# Altium PCB PCB-ZB206B-0B.PcbDoc (part 2 of 7)
Units mm, origin at the board's own origin, x right, y up, seen from the top; angles counter-clockwise.
Board outline 366.51 x 137.86 mm, 2 copper layers (Top Layer, Bottom Layer); 583 components, 415 nets, 1779 pads, 4554 vias.
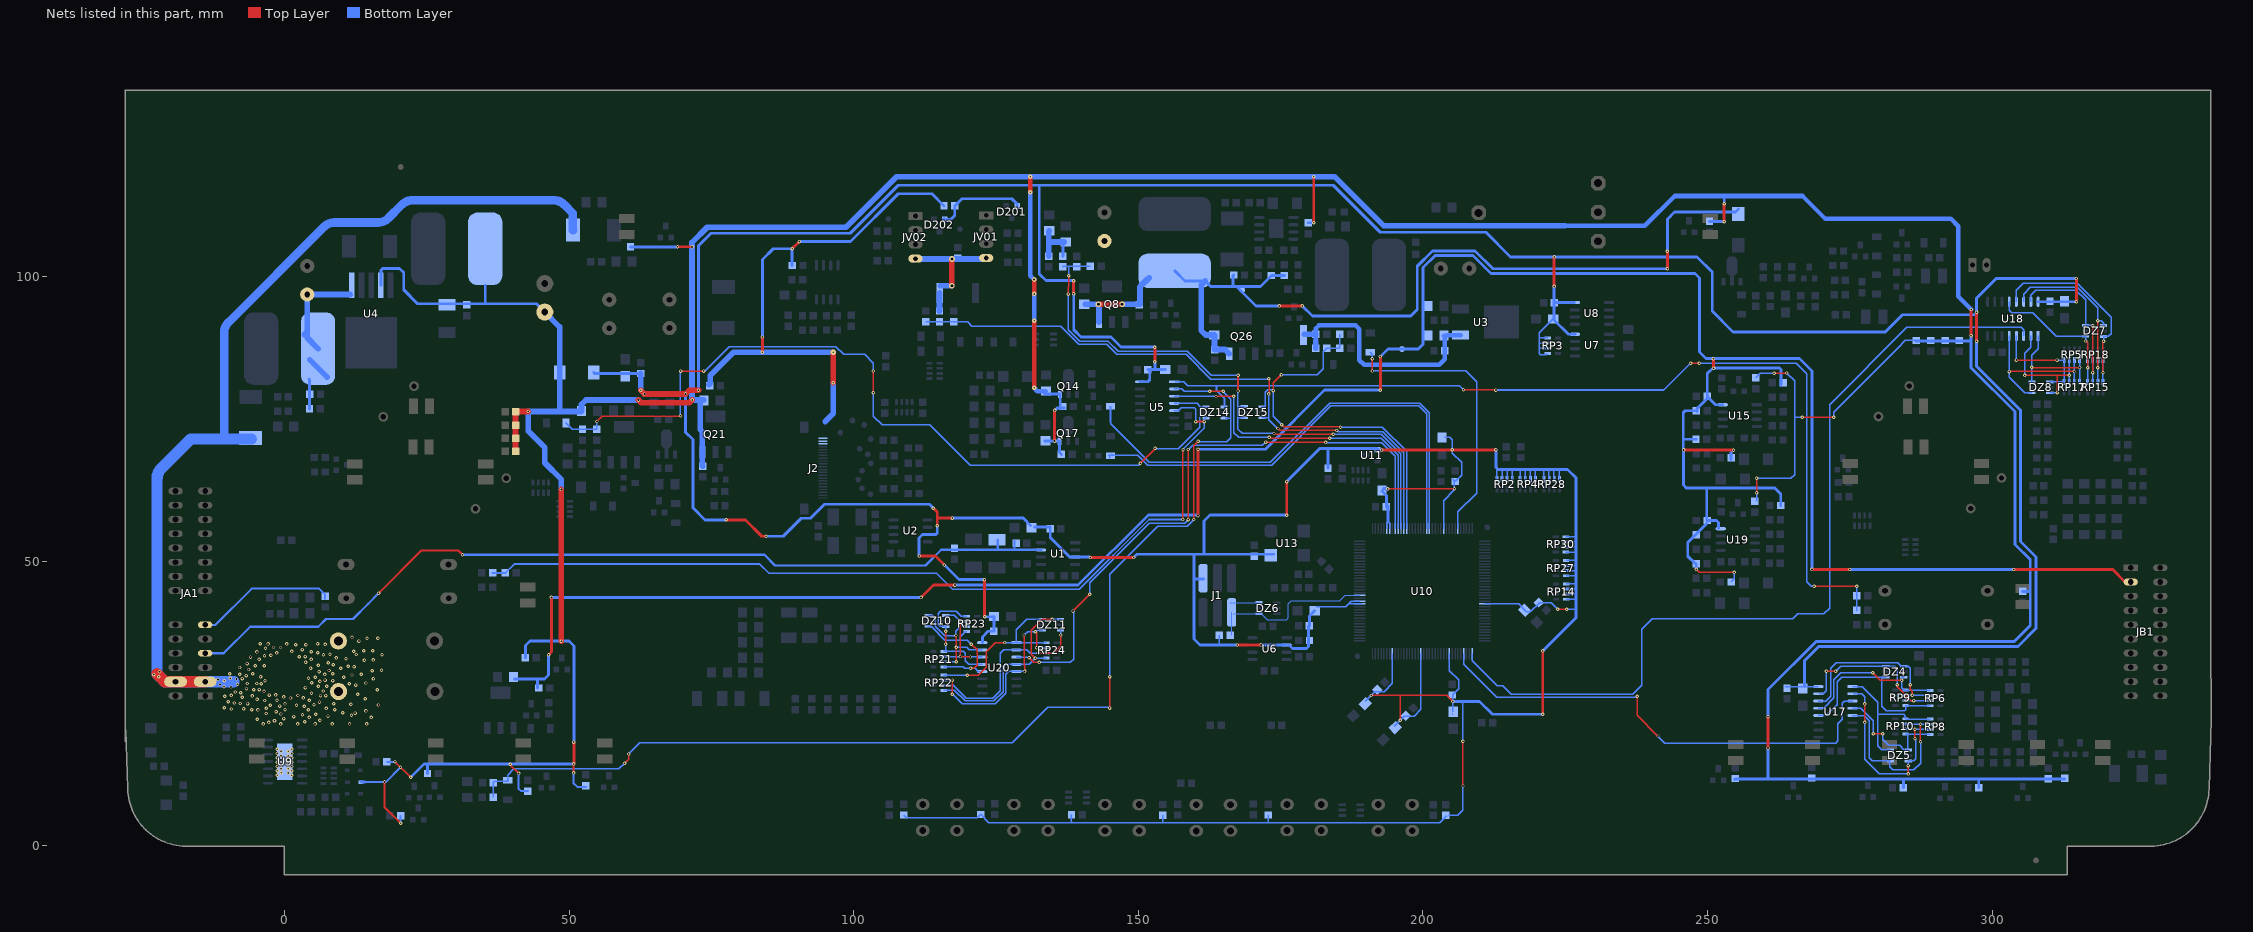
[diagram p2: the nets of this part, all layers, seen from the top]

## Part data
BT1: library part BATTERY, "Battery"
C1 C17 C22 C24 C75 C78 C81 C87 C89 C90 C94 C95 C96 C97 C201 C202 C205 C206: library part CAP, "贴片电容"
C2 C3 C4 C5 C6 C7 C8 C9 C10 C11 C12 C13 C14 C15 C16 C18 C19 C20 C21 C23 C25 C26 C27 C28 C29 C30 C31 C32 C33 C34 C35 C36 C37 C38 C39 C40 C41 C42 C43 C44 C45 C46 C47 C48 C49 C50 C51 C52 C53 C54 C55 C56 C57 C58 C59 C60 C61 C62 C63 C64 C65 C66 C67 C68 C69 C70 C71 C72 C73 C74 C76 C77 C79 C80 C82 C83 C84 C85 C86 C88 C91 C92 C93 C98 C99 C100 C101 C102 C103 C104 C105 C106 C107 C108 C208 C300: library part CAP, "Capacitor"
CP1 CP5 CP7 CP15 CP19 CP303: library part ELECTRO1, "电解电容"
CP2 CP3 CP4 CP6 CP8 CP9 CP10 CP11 CP12 CP16 CP17 CP18 CP22 CP23 CP24 CP25 CP26 CP200: library part "CAPACITOR POL", "Capacitor"
CP13 CP14: library part RC_ARRAY
D1 D3 D4 D5 D7 D9 D11 D12 D13 D14 D15 D16 D17 D21 D22 D24 D26 D27 D28 D33 D66 D68: library part DIODE, "二极管"
D2 D6 D8 D10 D25 D32 D39 D40 D42: library part TVS
D18 D20 D23 D34 D35 D36 D37 D41 D48 DW1 DW12 DW300: library part DW, "稳压二极管"
D19 D29 D30 D31: library part GN1J, "二极管"
D38: "TVS"
D201 D202: library part BAV23S, "双二极管"
DL1 DL2 DL3 DL4 DL5 DL6 DL7 DL16 DL17 DL18 DL19 DL20 DL21 DL22 DL23: library part DOS, "贴片二极管"
DL8 DL9 DL10 DL11 DL12 DL13 DL14 DL15: "贴片LED"
DZ4 DZ5 DZ6 DZ7 DZ8 DZ9 DZ10 DZ11 DZ12 DZ13 DZ14 DZ15: "二极管排"
J1 JV01 JV02: "Connector"
J3: "连接器-2PIN"
L1 L2 L4 L5 L302: library part L, "电感"
L3: library part L, "SS0603220ML"
Q1 Q2 Q3 Q13 Q16: "NPN"
Q4 Q5: library part NPN1, "贴片三极管"
Q6 Q14 Q17: library part PNP1, "贴片三极管"
Q7 Q9 Q15 Q20 Q22 Q27: library part DTC143, "NPN"
Q8 Q26: library part MOS-P, "MOS"
Q10: library part DTB143EK, "三极管-PNP带阻"
Q11 Q12: "PNP   三极管"
Q18 Q23 Q24 Q25 Q28 Q29 Q30 Q31 Q32 Q33 Q34 Q35 Q36 Q37 Q38: "三极管-NPN带阻"
Q19: library part BCX53
Q21: "MOS"
Q39: library part BSP631, "PNP三极管"
R1 R2 R3 R4 R5 R6 R7 R8 R9 R10 R11 R12 R13 R14 R15 R16 R17 R18 R19 R20 R21 R23 R24 R26 R28 R29 R30 R31 R32 R33 R34 R35 R36 R37 R38 R39 R40 R41 R42 R43 R44 R46 R47 R48 R49 R50 R51 R52 R53 R54 R55 R56 R57 R58 R59 R60 R61 R63 R64 R65 R66 R68 R69 R70 R71 R72 R73 R74 R75 R76 R77 R78 R79 R80 R81 R82 R83 R84 R85 R86 R87 R88 R89 R90 R91 R92 R93 R94 R95 R96 R97 R98 R99 R100 R101 R103 R106 R107 R108 R109 R110 R111 R112 R113 R114 R115 R116 R117 R118 R119 R120 R121 R122 R123 R124 R125 R126 R127 R128 R129 R131 R132 R133 R134 R135 R136 R137 R139 R140 R141 R142 R143 R144 R145 R146 R147 R150 R151 R157 R158 R159 R164 R165 R166 R167 R168 R170 R172 R173 R175 R180 R181 R182 R183 R184 R185 R186 R187 R188 R189 R190 R191 R192 R193 R198 R199 R200 R201 R202 R203 R204 R205 R206 R207 R208 R209 R210 R211 R212 R213 R214 R231 R232 R233 R234 RL1 RL2 RL3 RL4 RL5 RL6 RL7 RL8: library part RES, "贴片电阻"
R22 R25 R27 R45 R62 R67 R102 R104 R105 R130 R138 R148 R149 R152 R153 R154 R155 R156 R160 R161 R162 R163 R169 R171 R174 R176 R177 R178 R179 R194 R195 R196 R197: library part "Resister mini", "贴片电阻"
RP1 RP2 RP4 RP6 RP8 RP14 RP15 RP17 RP21 RP22 RP27 RP28 RP30: library part R_LINE4, "贴片排阻"
RP3 RP25: library part R_ARRAY
RP5 RP9 RP10 RP18 RP23 RP24: library part RN, "排阻"
RP11 RP12: library part R_PAI
RP19 RP26: library part R_LINE4, "排阻"
SW1 SW2 SW3 SW4 SW5 SW6: library part SW-PB
TP60 TP61 TP62 TP141 TP142: library part TP
U1 U2: library part SN65HVD251
U3: library part 78M12, "IC-三端稳压"
U4: library part LDO_1, "DC/DC"
U5 U17 U18 U20: "IC-8路模拟开关集成快"
U6: library part IMP706
U7 U8 U9: "IC"
U11: library part DTC143
U12: "IC-单通道功率开关"
U13: library part POW_CRY
U15 U19: "IC-双路运放"
U16: library part BTS4140, "IC-单通道功率开关"
U21: "IC-视频滤波"
U300: "IC-CAN DRIVER"
YC2: library part CRYSTAL0

## Free pads (board coordinates)
  round 1 smd far side: 0(188.52,33.32) 0(211.32,55.97)
  oval 4x1.8 on Top Solder: 2(-19.148,28.845) 3(-13.948,28.845)
  oval 4x1.8 smd: 3(-19.148,28.845) 3(-13.948,28.845)

## Via types
v1: diameter 0.6, hole 0.3, Top Layer to Bottom Layer, tented both sides, 4537 vias
v2: diameter 0.8, hole 0.3, Top Layer to Bottom Layer, 6 vias
v3: diameter 6, hole 3.4, Top Layer to Bottom Layer, 4 vias
v4: diameter 1, hole 0.5, Top Layer to Bottom Layer, tented both sides, 3 vias
v5: diameter 0.8, hole 0.4, Top Layer to Bottom Layer, 2 vias
v6: diameter 1, hole 0.3, Top Layer to Bottom Layer, 1 vias
v7: diameter 1, hole 0.5, Top Layer to Bottom Layer, 1 vias

## Nets (pads, with @x,y where several pads share a name; then routed paths per layer and width w, separated by ;. In a path a pad name is that pad's centre, name@x,y a point inside that pad or via, vN(x,y) a via of type N, cw(c..) or ccw(c..) an arc to the next point about the centre after c; other vN are vias at no path point)
+5V: C16.2 CP7.1 D6.1 D24.1 L2.2 L3.1 Q14.3 Q17.3 Q21.3 R14.2 R18.2 R23.2 R55.2 R57.1 R74.2 R81.1 R86.1 R93.2 R130.1 R132.1 R133.1 R134.1 R172.2 R180.2 R181.2 R184.2 R185.2 R188.2 R189.2 R192.2 R193.2 R200.2 R202.2 R204.2 RL1.1 RL2.1 RL3.1 RL4.1 RL5.1 RL6.1 RL7.1 RL8.1 U4.4 | length 878.5
  Top Layer w0.25: v1(258.63,62.02) v1(258.63,64.59) ; v1(261.7,83.03) 263.88,83.03 v1(263.93,83.08) ; v1(266.64,75.29) v1(272.18,75.29)
  Top Layer w0.35: v1(17.56,11.24) 17.56,6.79 v1@20.38,3.97 ; v1(19.4,14.79) v1@22.155,12.035 ; v1(39.66,14.36) 39.66,14.19 v1(41.12,12.73) ; v1(50.8,12.82) v1@50.8,14.39
  Top Layer w0.4: v1(180.848,109.474) v1@180.848,117.448
  Top Layer w0.5: v1@50.7,14.38 50.83,14.51 v1(50.83,18.24) ; v1(69.04,105.26) 71.57,105.26 v1(71.6,105.23) ; v1(135.29,71.12) 135.29,76.49 v1(135.31,76.51) ; v1(252.93,109.65) 252.93,112.82 v1(252.95,112.84) ; v1(260.63,17.19) v1(260.63,22.68) ; v1(296.31,89.64) 296.31,94.23 v1(296.32,94.24)
  Top Layer w0.8: v2(131.013,114.859) v2(131.013,117.59) ; v2(131.68,99.51) 131.7,99.49 v2(131.7,96.97) ; v2(131.7,80.47) 131.7,92.23 v2(131.71,92.24)
  Top Layer w1: RL7.1@40.57,76.32 40.57,69.43 RL6.1@40.65,69.35 RL6.1@40.622,69.322 ; RL7.1@40.65,76.26 40.71,76.32 v1(42.82,76.32) ; v1(48.641,35.97) v1(48.641,62.611) ; v1(62.19,78.33) 62.669,77.851 71.111,77.851 v1(71.61,78.35)
  Bottom Layer w0.25: R14.2@258.51,82.24 259.3,83.03 v1(261.7,83.03) ; R93.2@258.61,60.68 258.63,60.7 v1(258.63,62.02) ; v1(258.63,64.59) 264.67,64.59 265.32,65.24 265.32,75.29 ; v1(263.93,83.08) 265.32,81.69 265.32,75.29 ; v1(266.64,75.29) 265.32,75.29 ; v1(272.18,75.29) 272.18,76.21 282.995,87.025 283.01,87.025 283.405,87.42 283.405,87.435 284.77,88.8 RL1.1@286.71,88.8
  Bottom Layer w0.35: D24.1@13.36,11.21 17.75,11.21 v1(20.37,13.83) ; R172.2@17.97,14.77 v1@19.38,14.77 ; v1@20.4,3.98 R55.2@20.4,5.29 ; v1@41.14,12.73 41.14,10.02 41.55,9.61 R185.2@42.73,9.61 ; v1@50.77,12.82 50.77,11.03 51.49,10.31 R189.2@52.95,10.31
  Bottom Layer w0.4: R130.1@179.832,109.474 v1(180.848,109.474)
  Bottom Layer w0.5: D24.1@13.42,11.24 14.11,11.24 ; U4.4@16.92,98.51 16.92,101.13 17.263,101.473 20.193,101.473 20.93,100.736 20.93,97.71 23.38,95.26 35.25,95.26 ; v1(22.195,12.075) 24.53,14.41 25.37,14.41 ; R180.2@25.12,12.72 25.12,14.16 25.37,14.41 ; 35.25,98.48 35.25,95.26 ; R23.2@42.32,33.05 42.32,35.179 43.111,35.97 v1(48.641,35.97) 49.99,35.97 50.83,35.13 v1(50.83,18.24) ; CP7.1@45.725,93.789 44.254,95.26 35.25,95.26 ; v1@50.79,14.41 25.37,14.41 ; R74.2@60.78,105.25 69.03,105.25 v1(69.04,105.26) ; R86.1@133.51,79.54 133.65,79.4 Q14.3@136.28,79.4 ; R132.1@133.575,71.16 v1@135.29,71.16 ; v1(135.29,71.12) v1@135.29,71.16 ; v1(135.31,76.51) 135.75,76.95 R81.1@136.28,76.95 ; Q17.3@135.99,71.16 v1@135.29,71.16 ; Q14.3@136.13,79.25 Q14.3@136.28,79.4 ; Q17.3@136.17,71.09 136.17,69.11 R57.1@136.49,68.79 ; R81.1@136.28,76.8 R81.1@136.28,76.95 ; R81.1@137,76.95 R81.1@136.28,76.95 ; R193.2@250.36,109.72 252.86,109.72 v1(252.93,109.65) ; 252.91,114.22 252.95,114.18 v1(252.95,112.84) ; R181.2@254.76,11.66 254.87,11.77 284.42,11.77 ; 260.61,11.78 260.63,11.8 v1(260.63,17.19) ; v1(260.63,22.68) 260.63,27.46 269.111,35.941 303.911,35.941 306.705,38.735 306.705,44.72 ; R188.2@284.41,10.24 284.41,11.73 284.44,11.76 284.44,11.77 ; 284.42,11.79 284.44,11.77 ; RL1.1@286.59,88.68 286.61,88.7 294.26,88.7 296.32,88.7 ; v1@296.32,89.65 296.32,88.7 ; 297.64,11.7 297.67,11.67 R192.2@297.67,10.22 ; R204.2@305.37,44.72 306.705,44.72 ; R202.2@312.77,11.77 R200.2@309.88,11.77 284.44,11.77 ; R81.1@136.28,76.95 Q14.3@136.28,79.4 ; 296.32,88.7 296.32,84.01 304.038,76.292 304.038,52.959 306.705,50.292 306.705,44.72
  Bottom Layer w0.8: v2(131.013,114.859) 131.013,100.177 v2(131.68,99.51) ; v2(131.7,80.47) 132.26,79.91 R86.1@133.76,79.91 ; v2(131.7,96.97) 131.71,96.96 v2(131.71,92.24) ; 224.917,108.93 238.978,108.93 244.228,114.18 252.91,114.18 ; 252.95,114.18 266.693,114.18 270.653,110.22 292.71,110.22 294.04,108.89 294.04,96.53 296.32,94.25 v1(296.32,94.24)
  Bottom Layer w1: CP7.1@45.725,93.789 48.33,91.184 L3.1@48.33,83.177 48.33,76.34 48.31,76.32 ; v1(48.641,62.611) 48.641,64.389 45.72,67.31 45.72,69.977 42.82,72.877 v1(42.82,76.32) 48.31,76.32 ; v1(62.19,78.33) 52.95,78.33 52.17,77.55 R18.2@52.17,76.42 52.07,76.32 48.31,76.32 ; R133.1@73.01,78.27 73.01,73.152 73.41,72.752 Q21.3@73.41,69.22 73.41,66.77 R134.1@73.45,66.73 ; R133.1@73.61,78.35 v1(71.61,78.35) 71.59,78.37 71.59,106.007 74.275,108.692 98.659,108.692 107.557,117.59 184.48,117.59 193.14,108.93 224.917,108.93
  other v1: 20.41,3.97 50.79,14.4 180.848,117.548
+5V-VT: J2.20 J2.21 J2.22 L21.2 L201.1 L205.1 | length 94.5
  Top Layer w0.5: v1(83.947,86.741) v1(83.947,89.408) ; v1(89.18,104.902) v1(90.45,106.172)
  Top Layer w1: v1(96.39,81.38) 96.39,86.73 v6(96.4,86.74)
  Bottom Layer w0.5: v1(83.947,89.408) 83.947,102.997 85.852,104.902 v1(89.18,104.902) L205.1@89.18,101.97 ; v1(90.45,106.172) 99.441,106.172 107.836,114.567 113.743,114.567 L201.1@115.86,112.45
  Bottom Layer w1: L21.2@74.58,81.04 74.77,81.23 74.77,82.61 78.9,86.74 v6(96.4,86.74) ; 94.986,74.576 96.4,75.99 96.4,81.37 v1(96.39,81.38)
+5VM: C10.1 C12.1 C15.1 C21.2 C25.1 C36.1 C37.1 C39.2 C56.1 C57.1 C69.2 C70.2 C71.2 C72.2 C80.1 CP2.1 CP3.1 CP4.1 CP6.1 CP11.1 CP12.1 CP16.1 CP17.1 CP18.1 CP22.1 CP23.1 CP24.1 CP25.1 CP26.1 J1.4 L3.2 R11.1 R15.1 R31.2 R33.2 R42.2 R56.1 R58.1 R73.1 R142.2 RP2.1 RP2.2 RP2.3 RP2.4 RP3.5 RP3.6 RP3.7 RP3.8 RP4.1 RP4.2 RP4.3 RP4.4 RP14.1 RP14.2 RP14.3 RP14.4 RP27.1 RP27.2 RP27.3 RP27.4 RP28.1 RP28.2 RP28.3 RP28.4 RP30.1 RP30.2 RP30.3 RP30.4 U1.3 U2.3 U5.16 U6.2 U7.8 U8.8 U10.9 U10.19 U10.29 U10.50 U10.51 U10.78 U10.79 U10.98 U10.131 U11.1 U13.4 U17.16 U18.16 U20.16 | length 1184.3
  Top Layer w0.25: v1(190.93,26.43) 195.961,26.43 ; v1(193.84,62.72) 205.51,62.72 v1(205.55,62.76) ; v1(196,22.05) 196,26.391 195.961,26.43 ; v1(205.24,25.37) 204.18,26.43 195.961,26.43 ; v1@207.03,10.54 v1(207.03,18.39) ; v1(223.69,41.58) v1@225.28,41.58
  Top Layer w0.5: v1(77.597,57.277) 80.983,57.277 83.853,54.407 v1(84.582,54.407) ; v1(111.506,50.927) 114.351,50.927 v1(115.926,49.352) ; v1(113.99,59.33) 114.681,58.639 114.681,57.607 ; v1(114.681,56.236) 114.681,57.607 ; v1(117.29,57.6) 114.688,57.6 114.681,57.607 ; v1(122.96,46.78) 123,46.74 v1(123,40.27) ; v1(138.63,97.01) v1@138.63,99.3 ; v1(141.58,50.67) v1(149.18,50.67) ; v1(152.91,85.05) v1@152.91,87.61 ; v1@167.39,35.31 v1(171.56,35.31) ; v1(176.08,58.11) v1(176.08,64.01) ; v1(192.79,69.56) v1@212.81,69.56 ; v1(221.07,23.12) v1@221.07,34.24 ; v1(223.059,98.298) v1(223.059,103.48) ; v1(297.28,88.65) v1(297.28,93.74) ; v1(314.827,95.607) v1@314.827,99.687
  Top Layer w1: v1(62.56,80.07) v1(63.23,79.4) 70.45,79.4 71.12,80.07 v1(72.73,80.07)
  Bottom Layer w0.25: R11.1@108.8,5.42 109.267,4.953 121.743,4.953 R15.1@122.31,5.52 123.73,4.1 202.93,4.1 R31.2@204.16,5.33 ; R56.1@138.26,5.48 138.26,4.2 138.33,4.13 ; R73.1@154.29,5.38 154.29,4.17 154.32,4.14 ; 164.18,35.32 164.23,35.37 R58.1@164.23,36.98 ; 172.79,4.11 172.8,4.12 R42.2@172.8,5.42 ; CP12.1@181.24,42.01 181.25,42.02 186.48,42.02 186.5,42.04 ; 186.49,42.05 187.45,43.01 U10.51@188.9,43.01 ; 186.97,42.51 U10.50@188.9,42.51 U10.50@189.26,42.51 ; CP11.1@189.9,25.45 v1@190.905,26.455 ; v1@190.905,26.455 191.57,27.12 193.19,27.12 194.65,28.58 U10.29@194.65,33.76 ; CP16.1@192.786,62.357 CP16.1@193.149,62.72 ; U10.78@193.65,55.76 193.65,56.795 193.853,56.998 194.15,56.7 U10.79@194.15,55.76 ; CP2.1@194.97,21.02 v1(196,22.05) 196.76,22.81 198.46,22.81 199.65,24 U10.19@199.65,33.76 ; U10.98@203.65,55.76 203.65,60.66 205.55,62.56 v1(205.55,62.76) 205.55,64.18 C12.1@205.27,64.46 ; CP3.1@203.8,71.8 204.73,71.8 205.16,71.37 205.16,69.01 206.79,67.38 206.79,65.13 C12.1@205.69,64.03 ; R31.2@204.5,5.37 206.16,5.37 207.04,6.25 v1(207.04,10.53) ; U10.9@204.65,33.76 204.65,30.81 206.29,29.17 206.29,27.62 205.3,26.63 C37.1@205.24,26.63 ; CP17.1@205.13,23.11 CP17.1@205.24,23.22 ; CP17.1@205.24,23.58 v1(205.24,25.37) C37.1@205.24,26.52 ; v1(207.03,18.39) 207.03,25.37 ; U10.131@210.9,42.51 216.82,42.51 218.17,41.16 218.9,41.16 C56.1@220.5,42.76 ; RP2.1@213,64.47 213,66.09 ; RP2.2@213.9,64.47 213.9,66.12 ; 214.78,66.12 214.8,66.1 RP2.3@214.8,64.47 ; 215.66,66.12 215.7,66.08 RP2.4@215.7,64.47 ; RP4.1@217.09,64.44 217.09,66.08 217.12,66.11 ; RP4.2@217.99,64.44 217.99,66.14 ; RP4.3@218.89,64.44 218.89,66.14 ; RP4.4@219.73,64.47 219.73,66.12 222.96,66.12 223,66.08 RP28.3@223,64.44 ; C56.1@220.37,42.76 C56.1@220.5,42.76 ; 220.449,89.235 RP3.8@221.919,89.235 ; 220.469,88.325 220.479,88.335 RP3.7@221.919,88.335 ; 220.479,87.455 220.499,87.435 RP3.6@221.919,87.435 ; C56.1@220.57,42.83 C56.1@220.5,42.76 ; RP28.1@221.2,64.44 221.2,66.11 ; RP3.5@221.819,86.445 221.709,86.335 220.649,86.335 220.429,86.555 220.429,90.125 CP6.1@222.889,92.585 ; RP28.2@222.1,64.44 222.1,66.03 222.18,66.11 ; v1(223.69,41.58) 222.51,42.76 C56.1@220.5,42.76 ; 223.95,66.06 223.94,66.05 223.93,66.05 223.99,65.99 RP28.4@223.99,64.44 ; RP30.4@225.12,51.62 226.92,51.62 ; RP30.3@225.12,52.52 226.89,52.52 226.9,52.53 ; RP30.2@225.12,53.42 226.88,53.42 226.93,53.47 227,53.54 ; RP30.1@225.12,54.32 226.92,54.32 226.93,54.31 ; RP27.4@225.16,47.46 226.82,47.46 226.87,47.41 ; RP27.3@225.16,48.36 226.8,48.36 226.81,48.37 ; RP27.2@225.16,49.26 226.88,49.26 226.93,49.31 ; RP27.1@225.16,50.16 226.93,50.16 226.96,50.13 ; RP14.4@225.18,43.34 226.89,43.34 226.93,43.3 ; RP14.3@225.18,44.24 226.93,44.24 ; RP14.2@225.18,45.14 226.93,45.14 ; RP14.1@225.18,46.04 226.91,46.04 ; v1(225.29,41.59) 226.93,41.59 ; C70.2@263.65,28.04 263.7,27.99 263.97,27.99 267.03,27.99 U17.16@269.48,27.99
  Bottom Layer w0.5: L3.2@54.33,83.177 54.507,83 C15.1@62.56,83 ; v1(70.45,79.41) 70.45,72.679 71.755,71.374 71.755,59.415 73.893,57.277 v1(77.597,57.277) ; v1(72.73,80.07) 72.74,80.08 72.74,105.454 74.615,107.329 74.615,107.335 74.921,107.64 99.385,107.64 107.823,116.078 132.6,116.078 ; v1(84.582,54.407) 87.63,54.407 90.78,57.556 92.405,57.556 94.869,60.02 113.3,60.02 v1(113.99,59.33) ; v1(111.506,50.927) 111.481,50.952 111.481,54.102 112.084,54.705 U2.3@112.984,54.705 114.466,54.705 114.681,54.921 v1(114.681,56.236) ; v1(115.926,49.352) 118.498,46.78 v1(122.96,46.78) ; v1(117.29,57.6) 129.78,57.6 CP18.1@131.07,56.31 ; U20.16@122.6,35.71 122.6,36.73 123.58,37.71 C72.2@124.58,37.71 ; v1(123,40.27) 124.62,40.27 CP24.1@124.63,40.28 124.64,40.27 C72.2@124.64,37.71 ; CP18.1@131.74,56.03 C39.2@134.5,56.03 ; C39.2@134.53,56.03 134.53,54.192 137.962,50.76 U1.3@139.14,50.76 ; v1(138.64,99.31) 133.77,99.31 132.6,100.48 132.6,116.078 ; v1@138.65,96.99 138.65,90.69 139.94,89.4 145.2,89.4 146.97,87.63 v1(152.89,87.63) ; U1.3@138.907,50.728 141.522,50.728 v1(141.58,50.67) ; v1(149.18,50.67) 149.75,51.24 159.77,51.24 ; U5.16@150.31,81.55 151.67,81.55 152.01,81.89 C69.2@152.01,83.57 ; C69.2@151.69,83.72 152.91,83.72 ; v1(152.91,85.05) 152.91,83.72 ; CP23.1@154.75,83.72 152.91,83.72 ; 159.96,46.92 161.46,46.92 J1.4@161.48,46.94 ; 161.61,51.33 161.57,51.37 161.57,57.1 162.58,58.11 v1(176.08,58.11) ; v1(167.37,35.29) 160.84,35.29 159.77,36.36 159.77,51.24 ; v1@171.572,35.298 U6.2@176.06,35.298 ; U13.4@173.78,51.24 159.77,51.24 ; v1(176.08,64.01) 181.87,69.8 183.32,69.8 ; U6.2@176.492,35.298 177.08,34.71 179.58,34.71 179.897,35.027 C25.1@179.897,38.63 ; C25.1@180.05,38.63 C25.1@180.05,38.65 ; C25.1@180.06,38.65 180.06,39.84 180.05,39.85 180.05,40.38 CP12.1@180.98,41.31 ; R142.2@183.32,66.38 183.32,69.8 ; U11.1@192.024,69.596 192.754,69.596 v1(192.79,69.56) ; U11.1@192.024,69.8 183.32,69.8 ; CP16.1@192.786,62.357 193.624,61.519 C36.1@193.624,59.461 ; 193.853,56.947 193.853,56.998 C36.1@193.853,59.69 ; v1(205.24,25.37) 207.03,25.37 209.97,25.37 212.22,23.12 v1(221.07,23.12) ; v1(212.83,69.58) 212.83,66.52 213.21,66.14 217.99,66.14 ; 218,66.14 218.89,66.14 225.4,66.14 226.93,64.61 226.93,54.31 226.93,53.54 ; v1(221.05,34.26) 226.93,40.14 226.93,41.57 ; CP6.1@222.889,92.585 CP6.1@223.059,92.415 ; v1(223.059,98.298) CP6.1@223.059,92.415 ; C80.1@223.109,95.445 224.719,95.445 U8.8@226.659,95.445 ; U7.8@226.729,89.895 225.579,89.895 CP6.1@223.059,92.415 ; 226.93,41.59 226.93,43.3 226.93,45.14 226.93,49.31 226.93,50.13 ; 226.93,50.16 226.93,53.47 ; CP25.1@267.03,27.99 267.03,32.53 269.552,35.052 304.546,35.052 307.721,38.227 307.721,50.749 305.003,53.467 305.003,76.547 297.28,84.27 v1(297.28,88.65) ; U18.16@308.092,95.607 v1(314.827,95.607) ; v1(314.807,99.687) 300.737,99.687 297.28,96.229 v1(297.28,93.74) 296.872,93.332 284.252,93.332 281.232,90.312 254.493,90.312 250.825,93.98 250.825,100.838 248.183,103.48 v1(223.059,103.48) 215.417,103.48 211.074,107.823 192.517,107.823 184.262,116.078 132.6,116.078
  Bottom Layer w0.6: CP16.1@193.149,62.72 v1(193.84,62.72)
  Bottom Layer w1: C15.1@62.56,83 v1(62.56,80.07) v1(63.23,79.4)
  other v1: 205.18,69.58
+5VV: D201.2 D202.2 L201.2 | length 16.1
  Bottom Layer w0.5: D202.2@115.79,110.1 D202.2@115.89,110.2 ; D202.2@115.995,110.11 117.095,110.11 117.76,110.775 L201.2@117.76,112.45 119.02,113.71 127.775,113.71 128.725,112.76 D201.2@128.725,112.44
+12V: C32.2 C51.2 C84.2 CP303.1 L5.2 L302.2 Q8.3 Q26.3 R62.1 R102.2 R160.2 R163.2 R169.1 R171.2 R176.2 R194.1 TP62.1 | length 184.2
  Top Layer w0.5: v1(174.752,94.869) v1(178.816,94.869) ; v1(242.95,104.46) 242.96,104.45 v1(242.96,101.4)
  Top Layer w1: v4@143.01,95.15 143.02,95.16 v4(147.16,95.16) v4@147.13,95.19
  Bottom Layer w0.25: R171.2@150.19,95.07 150.19,95.16 150.19,98.7 L302.2@151.28,99.79
  Bottom Layer w0.5: R160.2@136.728,103.627 136.76,103.659 136.76,105.87 136.98,106.09 C32.2@137.25,106.09 ; L302.2@156.39,101.04 158.19,99.24 L302.2@161.78,99.24 ; L302.2@161.79,99.25 L302.2@161.78,99.24 ; R163.2@166.756,100.308 166.624,100.176 166.624,98.298 ; v1(174.752,94.869) 170.663,94.869 167.234,98.298 ; C51.2@175.675,100.208 R194.1@173.389,100.208 171.479,98.298 167.234,98.298 ; v1(178.816,94.869) 180.594,93.091 197.866,93.091 199.009,94.234 199.009,101.854 201.676,104.521 209.169,104.521 212.29,101.4 v1(242.96,101.4) ; v1(242.95,104.46) 242.95,110.108 244.222,111.38 254.92,111.38 L5.2@255.46,111.92 ; L302.2@161.78,99.24 162.722,98.298 166.624,98.298 ; 166.624,98.298 167.234,98.298
  Bottom Layer w1: C84.2@134.239,103.632 134.239,105.918 ; R176.2@134.366,108.077 134.239,107.95 134.239,105.918 ; C32.2@136.98,106.09 134.411,106.09 134.239,105.918 ; R169.1@140.67,95.17 v4(143.02,95.17) 143.09,95.13 Q8.3@143.09,92.06 ; v4(147.16,95.16) 150.19,95.16 150.27,95.16 150.29,95.14 150.29,98.2 L302.2@151.92,99.83 ; L302.2@161.78,99.24 161.036,98.496 161.036,90.551 161.84,89.747 R62.1@163.359,89.747 163.399,89.707 R102.2@163.399,87.197 165.218,87.197 Q26.3@165.958,86.457
+12V-1: C23.1 JV01.4 JV02.4 R25.2 R27.2 TP60.1 | length 22.7
  Top Layer w1: v4(117.24,98.41) v7@117.24,103.1
  Bottom Layer w1: JV02.4@110.51,103.01 110.6,103.1 TP60.1@115.189,103.1 v7(117.26,103.1) JV01.4@123.25,103.1 ; R27.2@115.062,93.98 115.062,97.104 R25.2@115.113,97.155 ; R25.2@115.2,98.41 v4(117.24,98.41)
+12V-2: C17.2 C87.2 JB1.3 R1.2 R7.1 R24.1 R26.2 R47.1 R50.1 R98.1 R99.2 R107.1 R137.1 R177.2 R178.2 TP61.1 U15.8 U19.8 | length 498.1
  Top Layer w0.25: v1(248.02,48.57) 248.54,48.05 v1(254.71,48.05)
  Top Layer w0.5: v1(46.39,33.56) 46.88,34.05 v1@46.88,43.65 ; v1(111.83,43.65) 114,45.82 v1(117.78,45.82) ; v1(160.48,58.04) v1(160.48,69.68) ; v1(192.532,80.07) v1(192.532,85.979) ; v1(245.8,69.57) 245.84,69.53 v1(254.57,69.53) ; v1(251.07,83.91) v1@251.07,85.44 ; v1(268.351,48.57) v1@275.01,48.57 ; v1(303.82,48.56) 303.83,48.55 321.19,48.55 323.373,46.367 JB1.3@324.361,46.367